# Altium PCB SNI_PROTO.PcbDoc (part 2 of 2)
Units mil, origin at the board's own origin, x right, y up, seen from the top; angles counter-clockwise.
Board outline 4370.08 x 3177.17 mil, 2 copper layers (Top Layer, Bottom Layer); 99 components, 88 nets, 695 pads, 177 vias.
Unrouted connection lines stored in the file: 1.
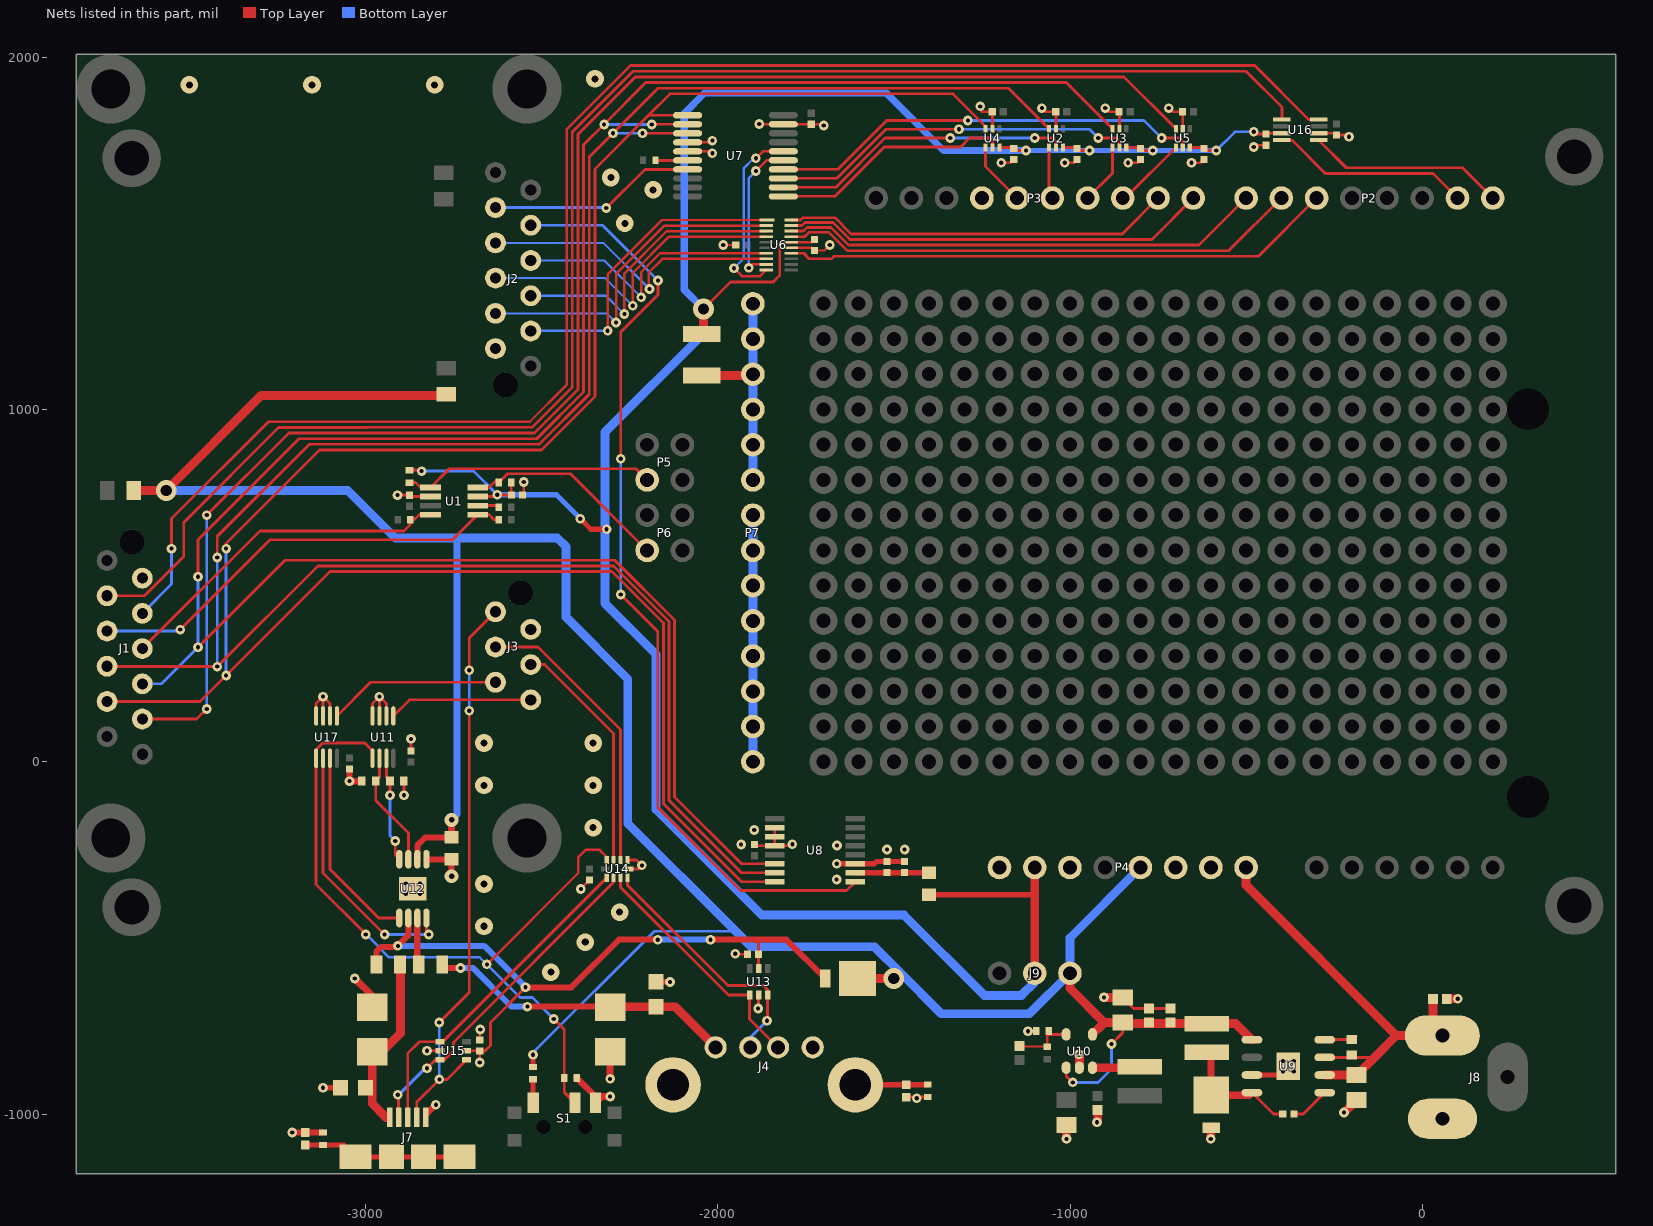
[diagram p2: the nets of this part, all layers, seen from the top]

## Via types
v1: diameter 27.56, hole 11.81, Top Layer to Bottom Layer, tented both sides, 154 vias
v2: diameter 50, hole 20, Top Layer to Bottom Layer, tented both sides, 17 vias
v3: diameter 59.06, hole 31.5, Top Layer to Bottom Layer, 4 vias
v4: diameter 39.37, hole 15.75, Top Layer to Bottom Layer, 2 vias

## Nets (pads, with @x,y where several pads share a name; then routed paths per layer and width w, separated by ;. In a path a pad name is that pad's centre, name@x,y a point inside that pad or via, vN(x,y) a via of type N, cw(c..) or ccw(c..) an arc to the next point about the centre after c; other vN are vias at no path point) (continued)
D5_PWM: P2.6 U6.14 | length 1569.2
  Top Layer w7.87: U6.14@-1791.37,1443.02 -1755.86,1443.02 -1740.12,1427.27 -1677.2,1427.27 -1669.83,1434.64 -465.36,1434.64 P2.6@-300.2,1599.8
D6_PWM: P2.7 U6.17 | length 1479.7
  Top Layer w7.87: U6.17@-1791.37,1490.27 -1753,1490.27 -1740.7,1502.56 -1684.5,1502.56 -1632.46,1450.52 -549.48,1450.52 P2.7@-400.2,1599.8
D7: P2.8 U6.18 | length 1371.5
  Top Layer w7.87: U6.18@-1791.37,1506.02 -1756.87,1506.02 -1746.45,1516.44 -1678.76,1516.44 -1628.71,1466.39 -633.61,1466.39 P2.8@-500.2,1599.8
D8: P3.1 U6.19 | length 1213.3
  Top Layer w7.87: U6.19@-1791.37,1521.76 -1760.75,1521.76 -1752.2,1530.31 -1673.01,1530.31 -1624.96,1482.26 -767.74,1482.26 P3.1@-650.2,1599.8
D9_PWM: P3.2 U6.20 | length 1105.3
  Top Layer w6: U6.20@-1791.37,1537.51 U6.20@-1791.25,1537.63
  Top Layer w7.87: U6.20@-1791.37,1537.51 -1764.62,1537.51 -1757.94,1544.18 -1667.26,1544.18 -1621.22,1498.14 -851.86,1498.14 P3.2@-750.2,1599.8
DIR1: U4.5 U7.11 | length 683.1
  Top Layer w8: U7.11@-1813.8,1604.48 -1813.44,1604.84 -1667.28,1604.84 -1527.12,1745 -1310,1745 -1285,1770 -1230,1770 -1220,1760 U4.5@-1220,1743.43
DIR2: U2.5 U7.12 | length 862.4
  Top Layer w8: U7.12@-1813.8,1630.07 -1813.44,1630.43 -1664.31,1630.43 -1524.75,1770 v1(-1340,1770) v1@-1347,1763 ; v1(-1100,1770) -1050,1770 -1040,1760 U2.5@-1040,1743.43
  Bottom Layer w8: v1(-1340,1770) v1(-1100,1770)
DIR3: U3.5 U7.13 | length 1042.6
  Top Layer w8: U7.13@-1813.8,1655.67 -1813.44,1656.02 -1661.35,1656.02 -1522.37,1795 v1(-1315,1795) ; v1(-920,1770) -870,1770 -860,1760 U3.5@-860,1743.43
  Bottom Layer w8: v1(-1315,1795) -945,1795 v1(-920,1770)
DIR4: U5.5 U7.14 | length 1232.7
  Top Layer w8: U7.14@-1813.8,1681.26 -1813.44,1681.61 -1658.39,1681.61 -1520,1820 v1(-1290,1820) ; v1(-740,1770) -690,1770 -680,1760 U5.5@-680,1743.43
  Bottom Layer w8: v1(-1290,1820) -790,1820 v1(-740,1770)
EXT_5V: C26.2 C33.2 C34.2 C35.2 D4.1 J9.1 L2.2 P4.4 R10.2 R41.2 R42.2 U9.5 U10.1 U10.4 U12.2 | length 7939
  Top Layer w6: v1(-882.44,-801.14) v1@-882.44,-794.14
  Top Layer w8: U10.1@-1010.93,-868.43 -1010.93,-891.65 v1(-992.44,-910.14) ; v1(-882.44,-801.14) -850.44,-769.14 C35.2@-850.44,-740.57
  Top Layer w15: R10.2@-2524.21,-866.14 v1(-2524.21,-831.69) ; -1000.2,-643.14 -1000.2,-648.38 -905.38,-743.2
  Top Layer w17: U12.2@-2852.4,-276.85 -2852.4,-237.4 -2830.2,-215.2 -2756.69,-215.2 C26.2@-2755.2,-213.7
  Top Layer w20: C26.2@-2755.2,-213.7 v4(-2755.2,-165.2)
  Top Layer w25: R42.2@-3657.8,769.8 v3(-3565.2,769.8) -3295.2,1039.8 R41.2@-2785.2,1039.8 ; D4.1@-1602.64,-615.2 v3(-1500.2,-615.2) ; J9.1@-1000.2,-600.2 -1000.2,-643.14 -902.76,-740.57 C35.2@-850.44,-740.57 -847.82,-743.2 -775.2,-743.2 -715.2,-743.2 L2.2@-611.44,-743.2 -529.73,-743.2 U9.5@-483.79,-789.14 ; U10.4@-936.13,-773.94 -905.38,-743.2
  Bottom Layer w8: v1(-2524.21,-831.69) -2524.21,-825.58 -2180.05,-481.42 -1966.42,-481.42 -1957.7,-472.7 ; v1(-992.44,-910.14) -920.14,-910.14 -882.44,-872.44 v1(-882.44,-801.14)
  Bottom Layer w20: v4(-2755.2,-165.2) -2740.2,-150.2 -2740.2,634.8
  Bottom Layer w25: v3(-3565.2,769.8) -3050.2,769.8 -2915.2,634.8 -2740.2,634.8 -2455.2,634.8 -2430.2,609.8 -2430.2,409.8 -2255.2,234.8 -2255.2,-175.2 -1957.7,-472.7 -1905.2,-525.2 -1555.2,-525.2 -1482.7,-597.7 -1365.2,-715.2 -1115.2,-715.2 J9.1@-1000.2,-600.2 -1000.2,-500.2 P4.4@-800.2,-300.2
GND: C1.2 C2.2 C3.2 C4.2 C5.2 C6.2 C7.2 C8.2 C9.1 C10.1 C11.1 C12.1 C13.1 C14.1 C15.1 C20.1 C21.1 C22.1 C23.1 C24.1 C25.1 C26.1 C27.2 C28.1 C29.2 C30.1 C31.2 C32.1 C33.1 C34.1 C35.1 C37.1 C38.1 C39.1 C40.1 C46.2 C47.2 D5.2 J1.2 J2.2 J3.2 J4.4 J7.5 J8.2 P3.7 P4.2 P4.3 P7.1 P7.2 P7.3 P7.4 P7.5 P7.6 P7.7 P7.8 R8.1 R9.1 R11.1 R12.1 R13.1 R14.1 S1.3 U1.2 U2.2 U3.2 U4.2 U5.2 U6.15 U7.4 U7.5 U7.19 U8.3 U8.10 U8.11 U8.12 U9.7 U9.9 U10.2 U11.2 U11.3 U11.4 U12.1 U12.9 U13.2 U14.5 U14.6 U15.2 U16.2 U17.2 U17.3 U17.4 | length 4407.1
  Top Layer w6: J7.5@-2828.74,-1009.45 -2823.43,-1004.13 J7.5@-2823.43,-996.06 ; v1(-1984.28,1466.65) C13.1@-1948.85,1466.65 ; U6.15@-1791.37,1458.77 -1733.3,1458.77 C14.1@-1725.43,1450.89 -1697.87,1450.89 v1(-1682.12,1466.64)
  Top Layer w8: U17.4@-3139.72,129.92 -3139.72,165.28 v1(-3120.2,184.8) v1@-3120.04,184.65 ; U17.3@-3120.04,129.92 v1@-3120.04,184.65 ; U17.2@-3100.35,129.92 -3100.35,164.96 v1@-3120.04,184.65 ; U11.4@-2979.72,129.92 -2979.72,165.28 v1(-2960.2,184.8) v1@-2960.04,184.65 ; U11.3@-2960.04,129.92 v1@-2960.04,184.65 ; U11.2@-2940.35,129.92 -2940.35,164.96 v1@-2960.04,184.65 ; v1(-2908.63,756.64) -2874.88,756.64 C3.2@-2874.63,756.39 -2870.94,752.71 U1.2@-2815.02,752.71 ; R12.1@-2890.51,-55.2 -2890.51,-94.88 v1(-2890.2,-95.2) ; C20.1@-2870.2,30.55 v1(-2870.2,64.8) ; v1(-2825.2,-820.2) U15.2@-2787.6,-820.2 ; C22.1@-2675.2,-789.45 -2675.2,-761.22 v1(-2673.82,-759.84) ; C4.2@-2553.88,757.31 -2550.63,760.56 v1(-2550.63,793.64) ; v1(-2388.39,-361.22) -2388.39,-360.24 C23.1@-2363.78,-335.63 ; U14.6@-2255.91,-278.94 -2230.45,-278.94 v1(-2215.2,-294.2) -2225.14,-304.14 U14.5@-2251.58,-304.14 ; v1@-2135.63,-624.76 v1(-2135.2,-625.2) ; U7.5@-2085.45,1732.44 -2020.83,1732.44 v1(-2015.2,1726.8) ; U7.4@-2085.45,1758.03 -2019.97,1758.03 v1(-2015.2,1762.8) ; v1(-1950.2,-545.2) -1949.17,-546.22 C21.1@-1915.35,-546.22 ; C47.2@-1895.28,-235.24 -1892.13,-238.39 U8.12@-1837.8,-238.39 ; v1(-1885.2,-700.2) -1883.86,-698.86 U13.2@-1883.86,-662.36 ; v1(-1882.2,1809.8) -1881.6,1809.21 U7.19@-1813.8,1809.21 -1734.35,1809.21 C46.2@-1734.2,1809.06 -1702.45,1809.06 v1(-1699.2,1805.8) ; U8.10@-1837.8,-187.2 U8.11@-1837.8,-212.8 U8.12@-1837.8,-238.39 ; v1@-1788.98,-237.2 -1790.16,-238.39 U8.12@-1837.8,-238.39 ; C24.1@-1465.16,-951.77 -1435.2,-951.77 R13.1@-1404.13,-951.77 ; v1(-1255,1860) -1260,1855 -1250,1845 C9.1@-1220.75,1845 -1220,1844.25 U4.2@-1220,1796.57 ; v1(-1195,1700) -1169.25,1700 C12.1@-1160,1709.25 ; v1@-1118.73,-764.44 R8.1@-1095.58,-764.44 ; v1(-1080,1855) -1070,1845 C11.1@-1040.75,1845 ; U2.2@-1040,1796.57 -1040,1845 C11.1@-1040,1849.25 ; v1(-1015,1700) -989.25,1700 C8.2@-980,1709.25 ; v1(-900,1855) -890,1845 C5.2@-860.75,1845 ; C5.2@-860.75,1850 -860,1849.25 -860,1845 U3.2@-860,1796.57 ; C35.1@-850.44,-669.71 -819.64,-700.51 C34.1@-775.2,-700.51 C33.1@-715.2,-700.51 ; v1(-835,1700) -809.25,1700 C6.2@-800,1709.25 ; v1(-720,1855) -710,1845 C7.2@-680.75,1845 ; C7.2@-680.75,1850 -680,1849.25 -680,1845 U5.2@-680,1796.57 ; v1(-655,1700) -629.25,1700 C10.1@-620,1709.25 ; v1(-478.35,1744.49) -472.94,1749.89 C2.2@-443.63,1749.89 ; U16.2@-294.46,1783.8 -248.53,1783.8 C1.2@-243.63,1778.89 -213.15,1778.89 v1(-208.07,1773.82)
  Top Layer w15: v1(-3120.2,-925.2) C30.1@-3070.63,-925.2 ; C28.1@-2175.2,-624.76 v1@-2135.63,-624.76 ; v1(-1662.01,-289.37) -1661.81,-289.57 U8.3@-1609.45,-289.57 -1554.92,-289.57 -1548.62,-283.27 C15.1@-1519.09,-283.27 C39.1@-1469.88,-283.27 ; U9.7@-483.79,-889.14 -405.44,-889.14 -395.35,-879.05 U9.9@-380.44,-864.14
  Top Layer w17: U12.1@-2826.81,-276.85 -2755.35,-276.85 C26.1@-2755.2,-276.69 v4(-2755.2,-325.2)
  Top Layer w18: v1(-3207.28,-1052.17) -3206.97,-1052.48 C25.1@-3170.2,-1052.48 R14.1@-3120.2,-1052.48 ; C40.1@-3045.2,-20.94 v1(-3045.2,-55.2) R11.1@-3009.88,-55.2 ; J7.5@-2823.43,-996.06 -2800.79,-973.43 v1(-2799.8,-973.43) ; R9.1@-2400.2,-897.64 -2346.46,-951.38 S1.3@-2346.46,-968.11
  Top Layer w20: v1(-3030.2,-615.2) -2980.2,-665.2 C29.2@-2980.2,-697.2 ; S1.3@-2346.46,-968.11 -2328.54,-950.2 v1(-2305.2,-950.2) ; v1(-2305.2,-900.2) C27.2@-2305.2,-823.19
  Top Layer w25: C37.1@-1010.44,-1030.57 -1010.44,-1069.87 v1(-1009.84,-1070.47) ; v1(-974.41,-830.31) -973.53,-831.2 U10.2@-973.53,-868.43 ; v1(-923.23,-1023.23) -921.44,-1021.44 C38.1@-921.44,-988.83 ; v1(-903.54,-668.9) -851.25,-668.9 C35.1@-850.44,-669.71 ; v1(-600.39,-1070.47) -600.39,-1040.09 D5.2@-599.44,-1039.14 ; v1(-222.44,-995.67) -221.54,-995.67 C32.1@-186.44,-960.57 ; C31.2@69.24,-673.14 69.55,-672.83 v1(100.39,-672.83)
  Bottom Layer w25: P7.1@-1900.2,-0.2 P7.2@-1900.2,99.8 P7.3@-1900.2,199.8 P7.4@-1900.2,299.8 P7.5@-1900.2,399.8 P7.6@-1900.2,499.8 P7.7@-1900.2,599.8 P7.8@-1900.2,699.8
  other v1: -1435.2,-955.2 -395.2,-879.2 -365.2,-879.2 -395.2,-849.2 -365.2,-849.2 -1119.25,-764.96 -2885.2,-375.2 -2845.2,-375.2 -2885.2,-345.2 -2845.2,-345.2 -1662.39,-334.01 -1519.39,-249.01 -1469.39,-249.01 -1661.39,-238.01 -1933.39,-235.01 -1787.99,-234.25 -1896.39,-194.01
  other v2: -2473.39,-597.01 -2375.89,-512.01 -2663.39,-467.01 -2278.39,-427.01 -2663.39,-347.01 -2353.39,-187.01 -2663.39,-67.01 -2353.39,-67.01 -2663.39,52.99 -2353.39,52.99 -2263.39,1527.99 -2183.39,1622.99 -2303.39,1657.99 -3499.39,1920.99 -3151.39,1920.99 -2803.39,1920.99 -2348.39,1937.99
GPA4: U6.9 U7.15 | length 427.1
  Top Layer w7: v1(-1911.63,1401.64) -1901.74,1411.53 U6.9@-1862.23,1411.53 ; v1(-1891.63,1676.64) -1861.42,1706.85 U7.15@-1813.8,1706.85
  Bottom Layer w7: v1(-1911.63,1401.64) -1911.63,1656.64 v1(-1891.63,1676.64)
GPA5: U6.10 U7.16 | length 535.1
  Top Layer w7: v1(-1953.63,1400.64) -1931.35,1378.36 -1879.65,1378.36 U6.10@-1862.23,1395.78 ; v1(-1891.63,1712.64) -1871.83,1732.44 U7.16@-1813.8,1732.44
  Bottom Layer w7: v1(-1953.63,1400.64) -1926.63,1427.64 -1926.63,1683.64 -1897.63,1712.64 v1(-1891.63,1712.64)
I2C_SCL: P6.4 R4.1 U1.8 | length 583.4
  Top Layer w8: U1.8@-2681.16,778.3 -2648.97,778.3 R4.1@-2627.98,799.28 ; R4.1@-2621.34,792.64 -2596.56,817.42 -2417.81,817.42 P6.4@-2200.2,599.8
I2C_SDA: P5.4 R5.1 U1.1 | length 715.2
  Top Layer w8: R5.1@-2874.62,792.09 -2857.48,792.09 -2843.69,778.3 U1.1@-2815.02,778.3 -2761.9,831.42 -2231.81,831.42 P5.4@-2200.2,799.8
MISO_A: P3.5 U2.4 | length 147.6
  Top Layer w8: U2.4@-1059.69,1743.43 -1059.69,1609.29 P3.5@-1050.2,1599.8
MOSI_A: P3.4 U3.4 | length 172.8
  Top Layer w8: P3.4@-950.2,1599.8 -879.69,1670.31 U3.4@-879.69,1743.43
NC: P4.8
NetC15_2: C15.2 C39.2 R16.1 U8.2 | length 209.3
  Top Layer w15: U8.2@-1609.45,-315.16 -1609.25,-314.96 -1519.09,-314.96 -1469.88,-314.96 R16.1@-1400.2,-314.96
NetC19_1: C19.1 U9.1 | length 112.6
  Top Layer w8: C19.1@-364.45,-1000.2 -338.15,-1000.2 U9.1@-277.09,-939.14
NetC19_2: C19.2 D5.1 L2.1 U9.8 | length 358.3
  Top Layer w8: U9.8@-483.79,-939.14 -422.73,-1000.2 C19.2@-395.94,-1000.2
  Top Layer w20: L2.1@-611.44,-825.09 -599.44,-837.09 D5.1@-599.44,-946.58 -491.23,-946.58 U9.8@-483.79,-939.14
NetC24_2: C24.2 J4.5 J4.6 R13.2 | length 205.6
  Top Layer w15: J4.5@-1609.45,-916.93 -1465.16,-916.93 -1404.72,-916.93 R13.2@-1404.13,-916.34
NetC25_2: C25.2 J7.6 J7.7 J7.8 J7.9 R14.2 | length 451.9
  Top Layer w15: C25.2@-3170.2,-1087.91 R14.2@-3120.2,-1087.91 -3061.3,-1087.91 J7.7@-3027.56,-1121.65 J7.8@-2925.2,-1121.65 J7.9@-2834.65,-1121.65 J7.6@-2732.28,-1121.65
NetC36_1: C36.1 R7.1 R8.2 U10.5 | length 167.6
  Top Layer w6: C36.1@-1143.7,-806.69 -1141.68,-808.71 R7.1@-1064.44,-808.71
  Top Layer w8: R7.1@-1064.44,-808.71 -1064.44,-775.24 -1063.13,-773.94 -1060.15,-773.94 U10.5@-1010.93,-773.94
NetF1_1: F1.1 U12.7 | length 133.2
  Top Layer w18: U12.7@-2852.4,-443.54 -2852.4,-571.46 F1.1@-2848.66,-575.2
NetL1_1: L1.1 U10.3 | length 134.6
  Top Layer w20: L1.1@-804.67,-868.43 L1.1@-802.44,-866.2
  Top Layer w25: U10.3@-936.13,-868.43 L1.1@-804.67,-868.43
NetP7_9: P7.9 P7.10 P7.11 P7.12 P7.13 P7.14 R44.2 | length 648.6
  Top Layer w25: R44.2@-2045.2,1095.75 -1904.25,1095.75 P7.12@-1900.2,1099.8 ; P7.13@-1901.58,1201.18 P7.13@-1900.2,1199.8
  Bottom Layer w25: P7.9@-1900.2,799.8 P7.10@-1900.2,899.8 P7.11@-1900.2,999.8 P7.12@-1900.2,1099.8 P7.13@-1900.2,1199.8 P7.14@-1900.2,1299.8
NetR1_1: R1.1 U7.6 | length 91
  Top Layer w8: R1.1@-2176.48,1706.8 R1.1@-2176.48,1706.8 U7.6@-2085.45,1706.85
NetR6_2: R6.2 U9.4 | length 90.8
  Top Layer w8: U9.4@-277.09,-789.14 -276.5,-788.54 R6.2@-200.2,-788.54 ; R6.2@-198.09,-789.14 R6.2@-188.44,-779.49
NetR10_1: R10.1 S1.1 | length 66.8
  Top Layer w15: R10.1@-2524.21,-901.57 -2524.21,-967.52 S1.1@-2523.62,-968.11
NetR11_2: R11.2 U11.6 U12.3 | length 329.2
  Top Layer w8: U11.6@-2960.04,9.68 -2960.04,-44.72 R11.2@-2970.51,-55.2 -2970.51,-109.88 -2877.99,-202.4 U12.3@-2877.99,-276.85
NetR12_2: R12.2 U11.7 U12.4 | length 302
  Top Layer w8: U11.7@-2940.35,9.68 -2940.35,-44.72 R12.2@-2929.88,-55.2 -2929.88,-94.88 v1(-2930.2,-95.2) ; v1(-2915.2,-225.2) -2915.2,-265.24 U12.4@-2903.58,-276.85
  Bottom Layer w8: v1(-2930.2,-95.2) -2930.2,-210.2 v1(-2915.2,-225.2)
NetR15_2: R15.2 U1.6 | length 62
  Top Layer w8: U1.6@-2681.16,727.12 -2626.48,727.12 R15.2@-2621.34,721.98
PA0: J1.9 U4.3 U7.1 U8.16 | length 6313.4
  Top Layer w8: J1.9@-3733.07,171.09 -3468.91,171.09 v1(-3395.2,244.8) -3100.36,539.64 -2299.63,539.64 -2154.2,394.21 -2154.2,-119.1 -1932.55,-340.75 U8.16@-1837.8,-340.75 ; v1(-3395.2,604.8) -3395.2,619.8 -3130.2,884.8 -2500.33,884.8 -2348.63,1036.5 -2348.63,1682.35 -2196.18,1834.8 ; U7.1@-2085.45,1834.8 -2196.18,1834.8 ; U4.3@-1239.69,1796.57 -1239.69,1803.31 -1332.01,1895.64 -2135.34,1895.64 -2196.18,1834.8
  Bottom Layer w8: v1@-3400.2,249.8 v1(-3395.2,244.8) v1(-3395.2,604.8)
PA1: J1.7 U2.3 U7.3 U8.15 | length 6588.4
  Top Layer w8: J1.7@-3733.07,271.09 -3731.78,269.8 v1(-3420.2,269.8) -3134.36,555.64 -2295.83,555.64 -2138.2,398 -2138.2,-109.51 -1932.55,-315.16 U8.15@-1837.8,-315.16 ; v1@-3420.2,574.8 v1(-3420.2,579.8) -3420.2,639.8 -3159.2,900.8 -2506.95,900.8 -2364.63,1043.13 -2364.63,1716.35 v1(-2297.34,1783.64) -2169.34,1911.64 -1174.75,1911.64 U2.3@-1059.69,1796.57 ; v1(-2213.34,1783.64) U7.3@-2085.45,1783.62
  Bottom Layer w8: v1(-3420.2,269.8) v1(-3420.2,579.8) ; v1(-2297.34,1783.64) v1(-2213.34,1783.64)
PA2: J1.3 U16.5 | length 4509.2
  Top Layer w7: -2995.2,948.8 -2526.84,948.8 -2412.63,1063.01 -2412.63,1138.64
  Top Layer w8: J1.3@-3733.07,471.09 -3627.17,471.09 -3515.2,583.07 -3515.2,679.8 -3246.2,948.8 -2995.2,948.8 ; -2412.63,1138.64 -2412.63,1787.73 -2240.71,1959.64 -500.04,1959.64 -398.79,1858.4 U16.5@-398.79,1823.17
PA3: J1.4 U16.4 | length 4579.1
  Top Layer w7: -2995.2,964.8 -2533.46,964.8 -2428.63,1069.64 -2428.63,1138.64
  Top Layer w8: v1(-3550.2,604.8) -3550.2,689.8 -3275.2,964.8 -2995.2,964.8 ; -2428.63,1138.64 -2428.63,1794.35 -2247.34,1975.64 -475.61,1975.64 -323.14,1823.17 U16.4@-294.46,1823.17
  Bottom Layer w8: J1.4@-3633.07,421.09 -3550.2,503.97 v1(-3550.2,604.8)
PB10: J2.5 U6.3 | length 855.3
  Top Layer w7: v1(-2264.81,1270.45) -2264.81,1385.92 -2144.72,1506.02 U6.3@-1862.23,1506.02
  Bottom Layer w6: J2.5@-2530.71,1322.61 -2316.97,1322.61 v1(-2264.81,1270.45)
PB11: J2.6 U6.4 | length 936.8
  Top Layer w7: v1(-2241.08,1294.18) -2241.08,1387.37 -2138.19,1490.27 U6.4@-1862.23,1490.27
  Bottom Layer w6: J2.6@-2630.71,1372.61 -2319.51,1372.61 v1(-2241.08,1294.18)
PB12: J2.10 U7.7 | length 590.9
  Top Layer w8: v1(-2316.2,1571.8) -2206.74,1681.26 U7.7@-2085.45,1681.26
  Bottom Layer w8: J2.10@-2630.71,1572.61 -2317,1572.61 v1(-2316.2,1571.8)
PB13: J2.9 U8.1 | length 2677.5
  Top Layer w8: v1(-2275.2,474.8) -2170.2,369.8 -2170.2,-130.2 -1935.04,-365.36 -1634.06,-365.36 U8.1@-1609.45,-340.75 ; v1(-2275.2,859.8) -2275.2,1219.8 -2169.63,1325.37 v1(-2169.63,1365.64)
  Bottom Layer w8: J2.9@-2530.71,1522.61 -2326.59,1522.61 v1(-2169.63,1365.64) ; v1(-2275.2,474.8) v1(-2275.2,859.8)
PB14: J2.7 U6.7 | length 805.5
  Top Layer w7: v1(-2217.36,1317.91) -2217.36,1389.36 -2163.7,1443.02 U6.7@-1862.23,1443.02
  Bottom Layer w6: J2.7@-2530.71,1422.61 -2322.05,1422.61 v1(-2217.36,1317.91)
PB15: J2.8 U6.8 | length 888.7
  Top Layer w7: v1(-2193.63,1341.64) -2195.63,1343.64 -2195.63,1388.83 -2157.18,1427.28 U6.8@-1862.23,1427.28
  Bottom Layer w6: J2.8@-2630.71,1472.61 -2324.59,1472.61 v1(-2193.63,1341.64)
PC10: J2.3 U6.1 | length 894.6
  Top Layer w7: v1(-2312.27,1222.99) -2312.27,1382.99 -2157.76,1537.51 U6.1@-1860.26,1537.51
  Bottom Layer w8: J2.3@-2530.71,1222.61 -2530.32,1222.99 v1(-2312.27,1222.99)
PC11: J2.4 U6.2 | length 973.8
  Top Layer w7: v1(-2288.54,1246.72) -2288.54,1384.45 -2151.24,1521.76 U6.2@-1862.23,1521.76
  Bottom Layer w6: J2.4@-2630.71,1272.61 -2314.43,1272.61 v1(-2288.54,1246.72)
PE0: J1.10 U5.3 | length 4496.5
  Top Layer w8: J1.10@-3633.07,121.09 -3478.91,121.09 v1(-3450.2,149.8) ; v1(-3450.2,699.8) -3217.2,932.8 -2520.21,932.8 -2396.63,1056.39 -2396.63,1781.1 -2234.08,1943.64 -846.75,1943.64 U5.3@-699.69,1796.57 U5.3@-700.2,1796.57
  Bottom Layer w8: v1(-3450.2,149.8) v1(-3450.2,699.8)
PE2: J1.6 R2.1 U1.4 | length 984.2
  Top Layer w8: J1.6@-3633.07,321.09 -3299.36,654.8 -2890.2,654.8 -2872.91,672.09 R2.1@-2872.91,686.64 -2861.63,686.64 -2846.74,701.53 U1.4@-2815.02,701.53
PE3: J1.5 R3.1 U1.5 | length 1263.7
  Top Layer w8: v1(-3525.2,374.8) -3270.2,629.8 -2752.89,629.8 U1.5@-2681.16,701.53 -2649.51,701.53 -2634.63,686.64 R3.1@-2621.34,686.64
  Bottom Layer w8: J1.5@-3726.78,364.8 J1.5@-3733.07,371.09 -3528.91,371.09 v1(-3525.2,374.8)
PE4: J1.8 U3.3 U7.2 U8.14 | length 6731.5
  Top Layer w8: v1(-3475.2,324.8) -3228.36,571.64 -2292.04,571.64 -2122.2,401.8 -2122.2,-99.92 -1932.55,-289.57 U8.14@-1837.8,-289.57 ; v1(-3475.2,524.8) -3475.2,629.8 -3188.2,916.8 -2513.58,916.8 -2380.63,1049.76 -2380.63,1751.21 -2322.77,1809.07 -2204.2,1927.64 -1010.75,1927.64 U3.3@-879.69,1796.57 ; v1(-2187.34,1808.64) -2186.77,1809.21 U7.2@-2085.45,1809.21
  Bottom Layer w8: J1.8@-3633.07,221.09 -3578.91,221.09 v1(-3475.2,324.8) v1(-3475.2,524.8) ; v1(-2322.34,1808.64) v1(-2187.34,1808.64)
RST: P4.6
RX_A: P2.1 U16.1 | length 562.3
  Top Layer w8: U16.1@-294.46,1764.11 -215.99,1685.64 113.96,1685.64 P2.1@199.8,1599.8
SCLK_A: P3.6 U4.4 | length 180.7
  Top Layer w8: U4.4@-1239.69,1743.43 -1239.69,1689.29 P3.6@-1150.2,1599.8
SS_A: P3.3 U5.4 | length 210
  Top Layer w8: P3.3@-850.2,1599.8 -843.31,1599.8 U5.4@-699.69,1743.43
TX_A: P2.2 U16.8 | length 566.7
  Top Layer w8: U16.8@-398.79,1764.11 -370.14,1764.11 -275.67,1669.64 29.96,1669.64 P2.2@99.8,1599.8
USB1_N: J4.2 U13.3 U14.4 | length 725.6
  Top Layer w8: U14.4@-2255.91,-329.34 -2255.91,-350.48 -1971.2,-635.2 -1870.2,-635.2 -1858.27,-647.13 U13.3@-1858.27,-662.36 -1858.27,-733.27 v1(-1860.2,-735.2)
  Bottom Layer w8: J4.2@-1907.48,-810.63 -1907.48,-782.48 v1(-1860.2,-735.2)
USB1_P: J4.3 U13.1 U14.3 | length 701.6
  Top Layer w8: U14.3@-2275.6,-329.34 -2275.6,-356.25 -1969.49,-662.36 U13.1@-1909.45,-662.36 -1909.45,-729.92 J4.3@-1828.74,-810.63
USB2_N: J7.2 U14.2 U15.3 | length 954.4
  Top Layer w8: v1(-2908.2,-945.2) -2905.51,-947.88 J7.2@-2905.51,-1009.45 ; v1(-2825.2,-870.2) -2800.79,-845.79 U15.3@-2787.6,-845.79 -2775.79,-845.79 -2750.2,-820.2 -2750.2,-797.2 -2295.28,-342.28 U14.2@-2295.28,-329.34
  Bottom Layer w8: v1(-2908.2,-945.2) -2905.2,-945.2 -2830.2,-870.2 v1(-2825.2,-870.2)
USB2_P: J7.3 U14.1 U15.1 | length 952.6
  Top Layer w8: J7.3@-2879.92,-1009.45 -2879.92,-828.54 -2845.98,-794.61 U15.1@-2787.6,-794.61 -2780.24,-794.61 U14.1@-2314.97,-329.34
USB_5V: C21.2 C22.2 D4.2 F2.1 U12.6 U13.5 U15.5 | length 1952.4
  Top Layer w8: U15.5@-2712.8,-820.2 -2675.94,-820.2 C22.2@-2675.2,-820.95 ; v1(-2675.2,-853.94) C22.2@-2675.2,-820.95 ; v1(-2545.2,-640.2) -2645.2,-740.2 -2645.2,-805.2 -2660.94,-820.95 C22.2@-2675.2,-820.95 ; U13.5@-1883.86,-587.56 C21.2@-1883.86,-546.22 -1883.86,-508.86 -1880.2,-505.2
  Top Layer w17: F2.1@-2968.66,-575.2 -2968.66,-538.66 -2955.2,-525.2 v1@-2910.2,-525.2 ; v1(-2907.7,-522.7) -2877.99,-492.99 U12.6@-2877.99,-443.54 ; v1(-2545.2,-640.2) -2415.2,-640.2 -2280.2,-505.2 v1(-2170.2,-505.2) ; v1(-2020.2,-505.2) -1880.2,-505.2 -1805.2,-505.2 D4.2@-1695.2,-615.2
  Bottom Layer w17: v1(-2907.7,-522.7) -2662.7,-522.7 v1(-2545.2,-640.2) ; v1(-2170.2,-505.2) v1(-2020.2,-505.2)
USB_FAULT: J3.5 U17.1 | length 489.6
  Top Layer w8: U17.1@-3080.67,129.92 -2984.92,225.67 J3.5@-2630.71,225.67
USB_FAULT1: U12.8 U17.6 | length 752
  Top Layer w8: U17.6@-3120.04,9.68 -3120.04,-315.35 v1(-2945.2,-490.2) ; v1@-2826.81,-493.58 -2823.58,-493.58 v1(-2820.2,-490.2) ; v1@-2826.81,-490.2 U12.8@-2826.81,-443.54
  Bottom Layer w8: v1(-2945.2,-490.2) v1(-2820.2,-490.2)
USB_FAULT2: U12.5 U17.7 | length 568.9
  Top Layer w8: U17.7@-3100.35,9.68 -3100.35,-305.04 -2961.85,-443.54 U12.5@-2903.58,-443.54
USB_ID: J3.1 J7.4 U15.4 | length 1628.2
  Top Layer w8: J7.4@-2854.33,-1009.45 -2854.33,-965.95 v1(-2789.96,-901.57) -2768.58,-901.57 U15.4@-2712.8,-845.79 ; v1(-2790.2,-740.2) -2705.2,-655.2 v1(-2705.2,144.8) ; v1(-2705.2,259.8) -2705.2,351.18 J3.1@-2630.71,425.67
  Bottom Layer w8: v1(-2790.2,-740.2) -2790.2,-901.34 v1(-2789.96,-901.57) ; v1(-2705.2,144.8) v1(-2705.2,259.8)
USB_N: J3.3 U14.7 | length 822.4
  Top Layer w8: J3.3@-2630.71,325.67 -2510.06,325.67 -2275.6,91.2 U14.7@-2275.6,-278.94
USB_P: J3.4 U14.8 | length 675.4
  Top Layer w8: J3.4@-2530.71,275.67 -2491.06,275.67 -2295.28,79.89 U14.8@-2295.28,-278.94
USB_PSW: J3.6 U11.1 | length 408.9
  Top Layer w8: U11.1@-2920.67,129.92 -2874.92,175.67 J3.6@-2530.71,175.67
USB_SEL: R9.2 S1.2 U11.5 U14.9 U17.5 | length 2189.6
  Top Layer w7: v1(-2655.2,-575.2) -2395.2,-315.2 -2395.2,-270.2 -2375.2,-250.2 -2335.2,-250.2 -2314.97,-270.43 U14.9@-2314.97,-278.94
  Top Layer w8: v1@-2998.9,-488.9 -3139.72,-348.07 U17.5@-3139.72,9.68 -3139.72,34.15 -3120.84,53.03 -3001.54,53.03 -2979.72,31.22 U11.5@-2979.72,9.68 ; v1(-2465.2,-730.2) -2435.63,-759.76 R9.2@-2435.63,-897.64 -2435.63,-937.99 S1.2@-2405.51,-968.11
  Bottom Layer w7: -2675.2,-555.2 v1(-2655.2,-575.2)
  Bottom Layer w8: v1@-2995.67,-492.13 -2932.6,-555.2 -2675.2,-555.2 ; v1(-2655.2,-575.2) -2561.1,-669.29 -2526.1,-669.29 v1(-2465.2,-730.2)
  other v1: -2998.9,-490.2
V_SYS: C2.1 C4.1 C6.1 C8.1 C10.2 C12.2 C14.2 J9.2 P4.7 R4.2 R5.2 R16.2 R44.1 U1.7 U2.6 U3.6 U4.6 U5.6 U6.16 U16.7 | length 7518.9
  Top Layer w6: U6.16@-1791.37,1474.52 -1733.3,1474.52 C14.2@-1725.43,1482.39
  Top Layer w7: -1824.2,1379.8 -1824.2,1463 -1812.39,1474.8 -1791.66,1474.8 U6.16@-1791.37,1474.52
  Top Layer w8: R5.2@-2874.62,827.52 -2842.91,827.52 v1(-2840.2,824.8) ; U1.7@-2681.16,752.71 -2630.56,752.71 v1(-2625.63,757.64) -2625.29,757.31 C4.1@-2585.37,757.31 -2585.91,757.84 R4.2@-2585.91,792.64 ; v3(-2040.2,1284.8) -1963.2,1361.8 -1842.2,1361.8 -1824.2,1379.8 ; U4.6@-1200.31,1743.43 -1162.68,1743.43 C12.2@-1160,1740.75 -1154.25,1735 v1(-1125,1735) ; U2.6@-1020.31,1743.43 -982.68,1743.43 C8.1@-980,1740.75 -974.25,1735 v1(-945,1735) ; U3.6@-840.31,1743.43 -802.68,1743.43 C6.1@-800,1740.75 -794.25,1735 v1(-765,1735) ; U5.6@-660.31,1743.43 -622.68,1743.43 C10.2@-620,1740.75 -614.25,1735 v1(-585,1735) ; v1(-478.35,1787.8) -471.94,1781.39 C2.1@-443.63,1781.39 -441.22,1783.8 U16.7@-398.79,1783.8
  Top Layer w15: v1(-2390.2,689.8) -2360.2,659.8 v1(-2315.2,659.8) ; R16.2@-1400.2,-377.95 -1102.44,-377.95 -1100.2,-380.2
  Top Layer w20: R44.1@-2045.2,1213.86 R44.1@-2040.2,1218.86
  Top Layer w25: R44.1@-2040.2,1218.86 v3(-2040.2,1284.8) ; J9.2@-1100.2,-600.2 -1100.2,-380.2 P4.7@-1100.2,-300.2
  Bottom Layer w8: v1(-2840.2,824.8) -2692.79,824.8 v1(-2625.63,757.64) ; v1(-585,1735) -532.2,1787.8 v1(-478.35,1787.8)
  Bottom Layer w15: v1(-2625.63,757.64) -2458.04,757.64 v1(-2390.2,689.8) ; v1(-1125,1735) v1(-945,1735) v1(-765,1735) v1(-585,1735)
  Bottom Layer w20: v3(-2040.2,1284.8) -2094.98,1339.58 -2094.98,1840.02 -2036.97,1898.03 -1521.65,1898.03 -1358.62,1735 v1(-1125,1735)
  Bottom Layer w25: v3(-2040.2,1284.8) -2040.2,1214.8 -2320.2,934.8 -2320.2,659.8 -2320.2,449.8 -2175.2,304.8 -2175.2,-135.2 -1875.2,-435.2 -1471.5,-435.2 -1243.5,-663.19 -1137.99,-663.19 -1100.2,-625.39 J9.2@-1100.2,-600.2
VBUS_1: C27.1 C28.2 F1.2 J4.1 | length 874.7
  Top Layer w17: F1.2@-2781.73,-575.2 -2771.73,-585.2 v1(-2730.2,-585.2) ; v1(-2540.2,-695.2) -2307.2,-695.2 C27.1@-2305.2,-697.2
  Top Layer w25: C27.1@-2305.2,-697.2 -2303.62,-695.63 C28.2@-2175.2,-695.63 -2120.91,-695.63 J4.1@-2005.91,-810.63
  Bottom Layer w17: v1(-2730.2,-585.2) -2695.2,-585.2 -2585.2,-695.2 v1(-2540.2,-695.2)
VBUS_2: C29.1 C30.2 F2.2 J7.1 | length 483.4
  Top Layer w6: -2940.2,-1010.2 -2939.45,-1009.45 J7.1@-2931.1,-1009.45
  Top Layer w25: C29.1@-2980.2,-838.19 -2980.2,-925.2 -2980.2,-970.2 -2940.2,-1010.2 ; C29.1@-2980.2,-823.19 -2953.19,-823.19 -2900.2,-770.2 F2.2@-2900.2,-586.73
VIN: C31.1 C32.2 J8.1 P4.1 R6.1 U9.2 U9.3 | length 1290
  Top Layer w8: U9.3@-277.09,-839.14 -200.2,-839.14 -137.98,-839.14 -136.93,-840.2
  Top Layer w25: P4.1@-500.2,-300.2 -500.2,-350.87 -73.9,-777.17 ; U9.2@-277.09,-889.14 -186.44,-889.14 -185.87,-889.14 -136.93,-840.2 -73.9,-777.17 ; C31.1@29.87,-673.14 29.87,-749.95 J8.1@57.09,-777.17 -73.9,-777.17
pads on no net: A1.0 A2.0 A2.1 A2.2 A2.3 A2.4 A2.5 A2.6 A2.7 A2.8 A2.9 A2.10 A2.11 A2.12 A2.13 A2.14 A2.15 A2.16 A2.17 A2.18 A2.19 A2.20 A2.21 A2.22 A2.23 A2.24 A2.25 A2.26 A2.27 A2.28 A2.29 A2.30 A2.31 A2.32 A2.33 A2.34 A2.35 A2.36 A2.37 A2.38 A2.39 A2.40 A2.41 A2.42 A2.43 A2.44 A2.45 A2.46 A2.47 A2.48 A2.49 A2.50 A2.51 A2.52 A2.53 A2.54 A2.55 A2.56 A2.57 A2.58 A2.59 A2.60 A2.61 A2.62 A2.63 A2.64 A2.65 A2.66 A2.67 A2.68 A2.69 A2.70 A2.71 A2.72 A2.73 A2.74 A2.75 A2.76 A2.77 A2.78 A2.79 A2.80 A2.81 A2.82 A2.83 A2.84 A2.85 A2.86 A2.87 A2.88 A2.89 A2.90 A2.91 A2.92 A2.93 A2.94 A2.95 A2.96 A2.97 A2.98 A2.99 A2.100 A2.101 A2.102 A2.103 A2.104 A2.105 A2.106 A2.107 A2.108 A2.109 A2.110 A2.111 A2.112 A2.113 A2.114 A2.115 A2.116 A2.117 A2.118 A2.119 A2.120 A2.121 A2.122 A2.123 A2.124 A2.125 A2.126 A2.127 A2.128 A2.129 A2.130 A2.131 A2.132 A2.133 A2.134 A2.135 A2.136 A2.137 A2.138 A2.139 A2.140 A2.141 A2.142 A2.143 A2.144 A2.145 A2.146 A2.147 A2.148 A2.149 A2.150 A2.151 A2.152 A2.153 A2.154 A2.155 A2.156 A2.157 A2.158 A2.159 A2.160 A2.161 A2.162 A2.163 A2.164 A2.165 A2.166 A2.167 A2.168 A2.169 A2.170 A2.171 A2.172 A2.173 A2.174 A2.175 A2.176 A2.177 A2.178 A2.179 A2.180 A2.181 A2.182 A2.183 A2.184 A2.185 A2.186 A2.187 A2.188 A2.189 A2.190 A2.191 A2.192 A2.193 A2.194 A2.195 A2.196 A2.197 A2.198 A2.199 A2.200 A2.201 A2.202 A2.203 A2.204 A2.205 A2.206 A2.207 A2.208 A2.209 A2.210 A2.211 A2.212 A2.213 A2.214 A2.215 A2.216 A2.217 A2.218 A2.219 A2.220 A2.221 A2.222 A2.223 A2.224 A2.225 A2.226 A2.227 A2.228 A2.229 A2.230 A2.231 A2.232 A2.233 A2.234 A2.235 A2.236 A2.237 A2.238 A2.239 A2.240 A2.241 A2.242 A2.243 A2.244 A2.245 A2.246 A2.247 A2.248 A2.249 A2.250 A2.251 A2.252 A2.253 A2.254 A2.255 A2.256 A2.257 A2.258 A2.259 A2.260 A2.261 A2.262 A2.263 A2.264 A2.265 A2.266 A2.267 A2.268 A2.269 A2.270 A2.271 A2.272 A2.273 A2.274 A2.275 A2.276 A2.277 A2.278 A2.279 J1. J1.11 J1.12 J2. J2.11 J3.0 J8.3 S1.0 U7.8 U7.9 U7.10 U7.17 U7.18 U9.6 U13.4 U13.6 U15.6

## Polygon pours and split planes (outlines as drawn)
GND on Bottom Layer "Bottom Layer-No Net" (solid, shelved, pour order 2): 5938.82,9108.58 10269.53,9108.58 10269.53,5978.66 5938.82,5978.66
GND on Bottom Layer "Bottom Layer-No Net" (solid, shelved, pour order 2): 5938.82,9108.58 10269.53,9108.58 10269.53,5978.66 5938.82,5978.66
GND on Top Layer "Bottom Layer-No Net" (solid, remove dead copper, pour order 21): -3820,2008.27 549.21,2008.27 549.21,-1168.9 -3820,-1168.9 -3820.87,-1168.9
GND on Bottom Layer "Bottom Layer-No Net" (solid, remove dead copper, pour order 19): -3820.87,2008.27 549.21,2008.27 549.21,-1168.9 -3820.87,-1168.9

## Keep-outs
Keep-Out Layer:
  the board outline again, w2

## Other copper
Top Layer:
  pour cut-out: -1760.2,1359.8 259.8,1359.8 259.8,-60.2 -1760.2,-60.2
  pour cut-out: -2680.51,1762.21 -2480.51,1762.21 -2480.51,1037.21 -2680.51,1037.21
  pour cut-out: -3582.51,-70.79 -3782.51,-70.79 -3782.51,654.21 -3582.51,654.21
  pour cut-out: -2480.51,86.21 -2680.51,86.21 -2680.51,517.21 -2480.51,517.21
  pour cut-out: -3783.39,1712.99 cw(c-3663.39,1712.99) -3663.39,1832.99 cw(c-3663.39,1712.99) -3543.39,1712.99 cw(c-3663.39,1712.99) -3663.39,1592.99 cw(c-3663.39,1712.99)
  pour cut-out: -3783.39,-412.99 cw(c-3663.39,-412.99) -3663.39,-292.99 cw(c-3663.39,-412.99) -3543.39,-412.99 cw(c-3663.39,-412.99) -3663.39,-532.99 cw(c-3663.39,-412.99)
  pour cut-out: 311.1,-409.06 cw(c431.1,-409.06) 431.1,-289.06 cw(c431.1,-409.06) 551.1,-409.06 cw(c431.1,-409.06) 431.1,-529.06 cw(c431.1,-409.06)
  pour cut-out: 311.1,1716.93 cw(c431.1,1716.93) 431.1,1836.93 cw(c431.1,1716.93) 551.1,1716.93 cw(c431.1,1716.93) 431.1,1596.93 cw(c431.1,1716.93)
  pour cut-out: -3684.95,-77.39 cw(c-3722.75,-215.19) -3584.95,-252.98 cw(c-3722.75,-215.19) -3760.54,-352.98 cw(c-3722.75,-215.19) -3860.54,-177.39 cw(c-3722.75,-215.19)
  pour cut-out: -2503.85,-77.39 cw(c-2541.65,-215.19) -2403.85,-252.98 cw(c-2541.65,-215.19) -2579.44,-352.98 cw(c-2541.65,-215.19) -2679.44,-177.39 cw(c-2541.65,-215.19)
  pour cut-out: -2503.85,2048.59 cw(c-2541.65,1910.8) -2403.85,1873 cw(c-2541.65,1910.8) -2579.44,1773 cw(c-2541.65,1910.8) -2679.44,1948.59 cw(c-2541.65,1910.8)
  pour cut-out: -3684.95,2048.59 cw(c-3722.75,1910.8) -3584.95,1873 cw(c-3722.75,1910.8) -3760.54,1773 cw(c-3722.75,1910.8) -3860.54,1948.59 cw(c-3722.75,1910.8)
Bottom Layer:
  pour cut-out: -1760.2,1359.8 259.8,1359.8 259.8,-60.2 -1760.2,-60.2
  pour cut-out: -3783.39,-412.99 cw(c-3663.39,-412.99) -3663.39,-292.99 cw(c-3663.39,-412.99) -3543.39,-412.99 cw(c-3663.39,-412.99) -3663.39,-532.99 cw(c-3663.39,-412.99)
  pour cut-out: 311.1,-409.06 cw(c431.1,-409.06) 431.1,-289.06 cw(c431.1,-409.06) 551.1,-409.06 cw(c431.1,-409.06) 431.1,-529.06 cw(c431.1,-409.06)
  pour cut-out: 311.1,1716.93 cw(c431.1,1716.93) 431.1,1836.93 cw(c431.1,1716.93) 551.1,1716.93 cw(c431.1,1716.93) 431.1,1596.93 cw(c431.1,1716.93)
  pour cut-out: -3783.39,1712.99 cw(c-3663.39,1712.99) -3663.39,1832.99 cw(c-3663.39,1712.99) -3543.39,1712.99 cw(c-3663.39,1712.99) -3663.39,1592.99 cw(c-3663.39,1712.99)
  pour cut-out: -3684.95,2048.59 cw(c-3722.75,1910.8) -3584.95,1873 cw(c-3722.75,1910.8) -3760.54,1773 cw(c-3722.75,1910.8) -3860.54,1948.59 cw(c-3722.75,1910.8)
  pour cut-out: -2503.85,2048.59 cw(c-2541.65,1910.8) -2403.85,1873 cw(c-2541.65,1910.8) -2579.44,1773 cw(c-2541.65,1910.8) -2679.44,1948.59 cw(c-2541.65,1910.8)
  pour cut-out: -2503.85,-77.39 cw(c-2541.65,-215.19) -2403.85,-252.98 cw(c-2541.65,-215.19) -2579.44,-352.98 cw(c-2541.65,-215.19) -2679.44,-177.39 cw(c-2541.65,-215.19)
  pour cut-out: -3684.95,-77.39 cw(c-3722.75,-215.19) -3584.95,-252.98 cw(c-3722.75,-215.19) -3760.54,-352.98 cw(c-3722.75,-215.19) -3860.54,-177.39 cw(c-3722.75,-215.19)

## Silkscreen, mask and mechanical layers (free items; w line width, h text height)
Mechanical 7:
  lines w2: -2315.27,1222.99 -2196.63,1341.64
  lines w7.87: -4568.9,-1200.39 -4568.9,-1318.5 -4411.42,-1318.5

## Text inside footprints (layer, text, board x,y; h text height)
D4: Top Overlay "A" at -1675.28,-717.13 h37.5 r90
D5: Top Overlay "A" at -497.51,-1019.22 h37.5 r180
J7: Mechanical 15 "PCB Edge" at -2789.92,-1196.65 h10